# Altium PCB 2m_DBoard_TX.PcbDoc (part 2 of 5)
Units mm, origin at the board's own origin, x right, y up, seen from the top; angles counter-clockwise.
Board outline 63.5 x 139.7 mm, 12 copper layers (Top RF, AGND, Inner RF, AGND 2, AVDD, AVDD 2, DVDD 2, DVDD, GND 2, Signal, GND, Bottom Layer), stack 2.626 mm thick; 263 components, 212 nets, 1246 pads, 1554 vias.
Unrouted connection lines stored in the file: 414.
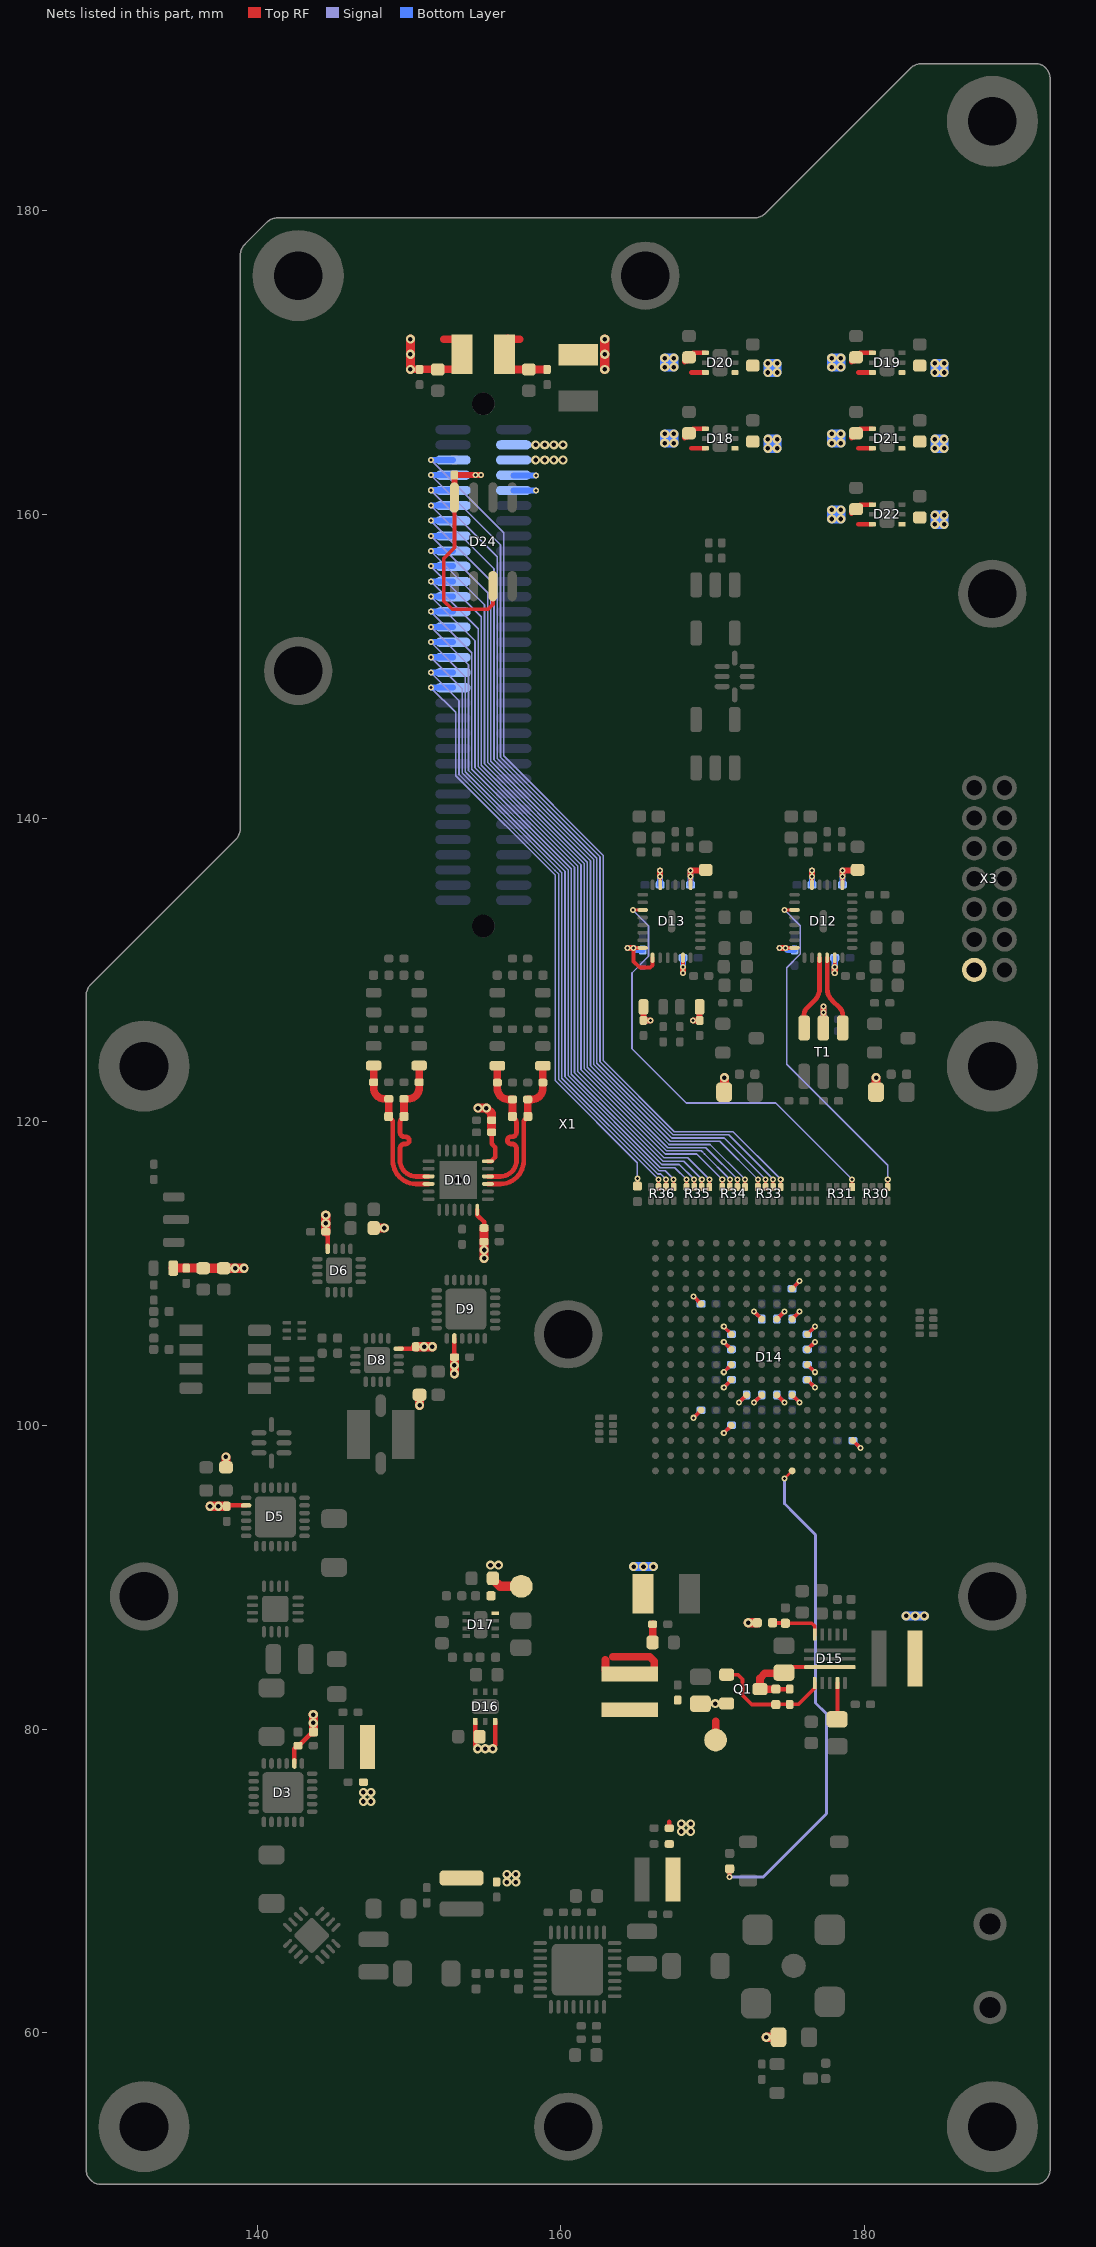
[diagram p12: the nets of this part, all layers, seen from the top]

## Part data
C1 C11 C14 C15 C19: "SMD Capacitor", Manufacturer=Murata, Supplier Part Number 1=490-8335-1-ND, Tolerance=5%, Voltage=50V, Material=NP0, P/N=GRM31C5C1H104JA01K, Supplier 1=Digi-key, Supplier 2=Mouser, Supplier 3=Farnell, Supplier Part Number 2=81-GRM31C5C1H104JA1K, Type="Ceramic Capacitor"
C2 C4 C8 C45 C49 C51 C52: "SMD Capacitor", Manufacturer=Murata, Supplier Part Number 1=490-3244-1-ND, Tolerance=5%, Voltage=50V, Material=NP0, P/N=GRM1555C1H102JA01D, Supplier 1=Digi-key, Supplier 2=Mouser, Supplier 3=Farnell, Supplier Part Number 2=81-GRM1555C1H102JA1D, Type="Ceramic Capacitor"
C3 C7 C9 C13 C16 C18 C20 C21 C22 C23 C53 C58 C61 C63 C73 C74 C77 C79 C102 C135 C136 C137: "SMD Capacitor", Manufacturer=Murata, Supplier Part Number 1=490-1312-1-ND, Tolerance=10%, Voltage=25V, Material=X7R, P/N=GRM155R71E103KA01D, Supplier 1=Digi-key, Supplier 2=Mouser, Supplier 3=Farnell, Supplier Part Number 2=81-GRM36X103K25, Type="Ceramic Capacitor"
C5 C12 C17: "SMD Capacitor", Manufacturer=Murata, Supplier Part Number 1=490-6213-1-ND, Tolerance=±0.05pF, Voltage=50V, Material=NP0, P/N=GRM1555C1H1R5WA01D, Supplier 1=Digi-key, Supplier 2=Mouser, Supplier 3=Farnell, Supplier Part Number 2=81-GRM1555C1H1R5WA1D, Type="Ceramic Capacitor"
C6 C10 C110 C127: "SMD Capacitor", Manufacturer=Samsung, Supplier Part Number 1=1276-1784-1-ND, Tolerance=10%, Voltage=16V, Material=X5R, P/N=CL10A475KO8NNNC, Supplier 1=Digi-key, Supplier 2=Mouser, Supplier 3=Farnell, Supplier Part Number 2=187-CL10A475KO8NNNC, Supplier Part Number 3=3013397, Type="Ceramic Capacitor"
C24 C25 C27 C66 C67: "SMD Capacitor", Manufacturer=Murata, Supplier Part Number 1=490-8180-1-ND, Tolerance=1%, Voltage=50V, Material=NP0, P/N=GRM1555C1H101FA01D, Supplier 1=Digi-key, Supplier 2=Mouser, Supplier 3=Farnell, Supplier Part Number 2=81-GRM1555C1H101FA1D, Type="Ceramic Capacitor"
C26 C28 C43 C44 C60 C64 C65 C76 C80 C81 C83 C84 C85 C86 C87 C88 C89 C90 C91 C92 C93 C94 C95 C96 C97 C98 C99 C100 C101: "SMD Capacitor", Manufacturer=Murata, Supplier Part Number 1=490-6322-1-ND, Tolerance=10%, Voltage=10V, Material=X7R, P/N=GRM155R71A104KA01J, Supplier 1=Digi-key, Supplier 2=Mouser, Supplier 3=Farnell, Supplier Part Number 2=81-GRM155R71A104KA1J, Type="Ceramic Capacitor"
C29 C35: "SMD Capacitor", Manufacturer=Murata, Supplier Part Number 1=490-5877-1-ND, Tolerance=±0.5pF, Voltage=50V, Material=NP0, P/N=GRM1555C1H6R0DA01D, Supplier 1=Digi-key, Supplier 2=Mouser, Supplier 3=Farnell, Supplier Part Number 2=81-GRM1555C1H6R0DA1D, Type="Ceramic Capacitor"
C30 C31 C36 C37: "SMD Capacitor", Manufacturer=Murata, Supplier Part Number 1=490-5872-1-ND, Tolerance=±0.25pF, Voltage=50V, Material=NP0, P/N=GRM1555C1H3R0CA01D, Supplier 1=Digi-key, Supplier 2=Mouser, Supplier 3=Farnell, Supplier Part Number 2=81-GRM1555C1H3R0CA1D, Type="Ceramic Capacitor"
C32 C33 C38 C39: "SMD Capacitor", Manufacturer=Murata, Supplier Part Number 1=490-8589-1-ND, Tolerance=1%, Voltage=50V, Material=NP0, P/N=GRM1555C1H220FA01D, Supplier 1=Digi-key, Supplier 2=Mouser, Supplier 3=Farnell, Supplier Part Number 2=81-GRM1555C1H220FA1D, Type="Ceramic Capacitor"
C34 C40: "SMD Capacitor", Manufacturer=Murata, Supplier Part Number 1=490-5939-1-ND, Tolerance=±0.25pF, Voltage=50V, Material=NP0, P/N=GRM1555C1H3R6CA01D, Supplier 1=Digi-key, Supplier 2=Mouser, Supplier 3=Farnell, Supplier Part Number 2=81-GRM1555C1H3R6CA1D, Type="Ceramic Capacitor"
C41 C42 C48 C55 C69 C120 C121 C122 C123 C124 C125 C126 C128 C131 C132 C133 C134: "SMD Capacitor", Manufacturer=Kemet, Supplier Part Number 1=399-C0603C105K4RAC7867CT-ND, Tolerance=10%, Voltage=16V, Material=X7R, P/N=C0603C105K4RACTU, Supplier 1=Digi-key, Supplier 2=Mouser, Supplier 3=Farnell, Supplier Part Number 2=80-C0603C105K4R, Type="Ceramic Capacitor"
C46: "SMD Capacitor", Manufacturer=Murata, Supplier Part Number 1=490-8219-1-ND, Tolerance=±1%, Voltage=50V, Material=NP0, P/N=GRM1555C1H680FA01D, Supplier 1=Digi-key, Supplier 2=Mouser, Supplier 3=Farnell, Supplier Part Number 2=81-GRM1555C1H680FA1D, Type="Ceramic Capacitor"
C47: "SMD Capacitor", Manufacturer=Murata, Supplier Part Number 1=490-1453-1-ND, Tolerance=±5%, Voltage=50V, Material=NP0, P/N=GRM1885C1H122JA01D, Supplier 1=Digi-key, Supplier 2=Mouser, Supplier 3=Farnell, Supplier Part Number 2=81-GRM1885C1H122JA01, Type="Ceramic Capacitor"
C50: "SMD Capacitor", Manufacturer=Murata, Supplier Part Number 1=490-6261-1-ND, Tolerance=±0.05pF, Voltage=50V, Material=NP0, P/N=GRM1555C1HR30WA01D, Supplier 1=Digi-key, Supplier 2=Mouser, Supplier 3=Farnell, Supplier Part Number 2=81-GRM1555C1HR30WA1D, Type="Ceramic Capacitor"
C54 C68 C130: "SMD Capacitor", Manufacturer=Murata, Supplier Part Number 1=490-6418-1-ND, Tolerance=10%, Voltage=10V, Material=X7R, P/N=GRM188R71A225KE15J, Supplier 1=Digi-key, Supplier 2=Mouser, Supplier 3=Farnell, Supplier Part Number 2=81-GRM188R71A225KE5J, Type="Ceramic Capacitor"
C56 C70: "SMD Capacitor", Manufacturer=Kemet, Supplier Part Number 1=399-14502-1-ND, Tolerance=1%, Voltage=50V, Material=NP0, P/N=C0603C222F5GACTU, Supplier 1=Digi-key, Supplier 2=Mouser, Supplier 3=Farnell, Supplier Part Number 2=80-C0603C222F5G, Type="Ceramic Capacitor"
C57 C71: "SMD Capacitor", Manufacturer="KYOCERA AVX", Supplier Part Number 1=478-KAF15AR71H273JTCT-ND, Tolerance=±5%, Voltage=50V, Material=X7R, P/N=06035C273J4Z2A, Supplier 1=Digi-key, Supplier 2=Mouser, Supplier 3=Farnell, Supplier Part Number 2=581-06035C273J4Z2A, Type="Ceramic Capacitor"
C59 C62 C75 C78 C82 C138 C139: "SMD Capacitor", Manufacturer=Murata, Supplier Part Number 1=490-13339-1-ND, Tolerance=10%, Voltage=6.3V, Material=X7R, P/N=GRM155R70J105KA12J, Supplier 1=Digi-key, Supplier 2=Mouser, Supplier 3=Farnell, Supplier Part Number 2=81-GRM155R70J105KA2J, Type="Ceramic Capacitor"
C72: "SMD Capacitor", Manufacturer=Murata, Supplier Part Number 1=490-6186-1-ND, Tolerance=1%, Voltage=50V, Material=NP0, P/N=GRM1555C1H100FA01D, Supplier 1=Digi-key, Supplier 2=Mouser, Supplier 3=Farnell, Supplier Part Number 2=81-GRM1555C1H100FA1D, Type="Ceramic Capacitor"
C103 C105 C108 C114 C118: "SMD Capacitor", Manufacturer=Murata, Supplier Part Number 1=490-6328-1-ND, Tolerance=10%, Voltage=16V, Material=X7R, P/N=GRM155R71C104KA88J, Supplier 1=Digi-key, Supplier 2=Mouser, Supplier 3=Farnell, Supplier Part Number 2=81-GRM155R71C104KA8J, Type="Ceramic Capacitor"
C104 C106 C115: "SMD Capacitor", Manufacturer=Kemet, Supplier Part Number 1=399-6869-1-ND, Tolerance=10%, Voltage=50V, Material=X7R, P/N=C0603C221K5RACAUTO, Supplier 1=Digi-key, Supplier 2=Mouser, Supplier 3=Farnell, Supplier Part Number 2=80-C0603C221K5RAUTO, Type="Ceramic Capacitor"
C107: "SMD Capacitor", Manufacturer=Murata, Supplier Part Number 1=490-3390-1-ND, Tolerance=20%, Voltage=6.3V, Material=X5R, P/N=GRM32ER60J107ME20L, Supplier 1=Digi-key, Supplier 2=Mouser, Supplier 3=Farnell, Supplier Part Number 2=81-GRM32ER60J107ME20, Type="Ceramic Capacitor"
C109 C113: "SMD Capacitor", Manufacturer=Murata, Supplier Part Number 1=490-10747-1-ND, Tolerance=±20%, Voltage=16V, Material=X5R, P/N=GRM21BR61C226ME44L, Supplier 1=Digi-key, Supplier 2=Mouser, Supplier 3=Farnell, Supplier Part Number 2=81-GRM21BR61C226ME4L, Type="Ceramic Capacitor"
C111 C129: "SMD Capacitor", Manufacturer=Murata, Supplier Part Number 1=490-6473-1-ND, Tolerance=±10%, Voltage=16V, Material=X5R, P/N=GRM21BR61C106KE15K, Supplier 1=Digi-key, Supplier 2=Mouser, Supplier 3=Farnell, Supplier Part Number 2=81-GRM21BR61C106KE5K, Type="Ceramic Capacitor"
C112: "SMD Capacitor", Manufacturer=Murata, Supplier Part Number 1=490-4763-1-ND, Tolerance=10%, Voltage=50V, Material=X7R, P/N=GCM155R71H223KA55D, Supplier 1=Digi-key, Supplier 2=Mouser, Supplier 3=Farnell, Supplier Part Number 2=81-GCM155R71H223KA5D, Type="Ceramic Capacitor"
C119: "SMD Capacitor", Manufacturer=Murata, Supplier Part Number 1=490-5312-1-ND, Tolerance=10%, Voltage=10V, Material=X7R, P/N=GRM32ER71A476KE15L, Supplier 1=Digi-key, Supplier 2=Mouser, Supplier 3=Farnell, Supplier Part Number 2=81-GRM32ER71A476KE5L, Type="Ceramic Capacitor"
C191: "SMD Capacitor", Manufacturer=Murata, Supplier Part Number 1=490-1459-1-ND, Tolerance=±5%, Voltage=50V, Material=NP0, P/N=GRM1885C1H222JA01D, Supplier 1=Digi-key, Supplier 2=Mouser, Supplier 3=Farnell, Supplier Part Number 2=81-GRM1885C1H222JA01, Type="Ceramic Capacitor"
D1: "1 W Power Amplifier", Manufacturer="Analog Devices", Package="32-lead, 5 mm × 5 mm LFCSP", Supplier Part Number 1=505-HMC637BPM5E-ND, Temperature Range="-40°C ~ 105°C", Voltage="12 V at 345 mA typical", Name=HMC637BPM5E, P/N=HMC637BPM5E, Supplier 1=Digi-key, Supplier 2=Mouser, Supplier 3=Farnell, Supplier Part Number 2=584-HMC637BPM5E, Type="Power Amplifier"
D2 D4: "InGaP HBT GAIN BLOCK", Manufacturer="Analog Devices", Package="16 Lead 3x3mm SMT", Supplier Part Number 1=1127-2929-ND, Name=HMC311LP3, P/N=HMC311LP3E, Supplier 1=Digi-key, Supplier 2=Mouser, Supplier 3=Farnell, Supplier Part Number 2=584-HMC311LP3E, Type="GAIN BLOCK"
D3: "The PE43711 is a 50Ω, HaRP™ technology-enhanced, 7-bit RF digital step attenuator", Manufacturer="Peregrine Technical Solutions", Package="24-lead 4 × 4 × 0.85 mm QFN", Supplier Part Number 1=1046-1138-1-ND, Name=PE43711, P/N=PE43711A-Z, Supplier 1=Digi-Key, Supplier 2=Mouser, Supplier 3=Farnell, Supplier Part Number 2=81-PE43711B-Z, Type="7-bit RF digital step attenuator (DSA)"
D5 D9: "The PE42582 is a HaRP™ technology-enhanced absorptive SP6T RF switch", Manufacturer="Peregrine Technical Solutions", Package="24-lead 4 × 4 × 0.85 mm QFN", Name=PE42562, P/N=PE42562A-X, Supplier 1=Digi-key, Supplier 2=Mouser, Supplier 3=Farnell, Supplier Part Number 2=81-PE42562A-X, Type="Absorptive SP6T RF switch"
D6 D8: "HaRPTM technology-enhanced absorptive SPDT", Manufacturer="Peregrine Technical Solutions", Package="16-lead 3 × 3 mm QFN", Supplier Part Number 1=1046-1137-1-ND, Name=PE42553, P/N=PE42553A-Z, Supplier 1=Digi-Key, Supplier 2=Mouser, Supplier 3=Farnell, Supplier Part Number 2=81-PE42553B-Z, Type="SPDT RF Switch"
D7: "Frequency Mixer", Manufacturer=Mini-Circuits, Package=HV1195, Power Level=+13dBm, Name=SIM-43MH+, P/N=SIM-43MH+, Supplier 1=Digi-key, Supplier 2=Mouser, Supplier 3=Minicircuits, Supplier Part Number 2=139-SIM-43MH, Supplier Part Number 3=SIM-43MH+, Type="Frequency Mixer"
D10: "Broadband Quadrature Modulator", Manufacturer="Analog Devices", Package="24-lead LFCSP_VQ package", Supplier Part Number 1=ADL5375-05ACPZ-R7CT-ND, Temperature Range="–40°C to 125°C", Voltage="4.75 V to 5.25 V", Name=ADL5375-05, P/N=ADL5375-05SCPZEPR7, Supplier 1=Digi-key, Supplier 2=Mouser, Supplier 3=Farnell, Supplier Part Number 2=584-ADL5375-05ACPZR7, Type="Broadband Quadrature Modulator"
D11: "RF/IF Gain Block", Manufacturer="Analog Devices", Package=SOT89, Supplier Part Number 1=505-ADL5611ARKZ-R7CT-ND, Name=ADL5611, P/N=ADL5611ARKZ-R7, Supplier 1=Digi-Key, Supplier 2=Mouser, Supplier 3=Farnell, Supplier Part Number 2=584-ADL5611ARKZ-R7, Type="RF/IF Gain Block"
D12 D13: library part LTC6948, "The LTC®LTC6948 is a high performance, low noise, 6.39GHz  phase-locked loop (PLL)", Frequency Range="0.700 to 6.390 GHz", Manufacturer="Linear Technology", Package="28-QFN (4x5)", Supplier Part Number 1=505-LTC6948IUFD-4#PBF-ND, Temperature Range="-40°C ~ 105°C", Voltage="3.15 V ~ 5.25 V", Name=LTC6948-4, P/N=LTC6948IUFD-4, Supplier 1=Digi-Key, Supplier 2=Mouser, Supplier 3=Farnell, Supplier Part Number 2=584-LTC6948IUFD-4PBF, Type="Clock/Frequency Synthesizer (RF/IF), Integer N"
D14: "CoolRunner-II 1.8V, 256 Macrocell CPLD, 184 User I/Os, 256-Ball FTBGA, Commercial Grade, Pb-Free", Supplier Part Number 1=122-1400-ND, Code_JEDEC=MS-034-AAF-1*, DatasheetVersion="ver3.2, Mar-2007", Name=XC2C256-7FTG256C, P/N=XC2C256-7FTG256C, PackageDescription="256-Ball Fine Pitch Thin Ball Grid Array 1.00 mm Pitch (FTG256) - Pb-Free", PackageReference=FTG256, PackageVersion="ver1.3, Oct-2007", PartNumber=XC2C256-7FTG256C, Supplier 1=Digi-key, Supplier 2=Mouser, Supplier 3=Farnell, Supplier Part Number 2=217-XC2C256-7FTG256C, Type=CPLD
D15: "10-A Fully-Integrated Synchronous Boost with Load Disconnect Control", Current="10 A", Manufacturer="Texas Instruments", Package="13-VQFN-HR (3.5x3.0)", Supplier Part Number 1=296-48313-1-ND, Temperature Range="–40°C to 125°C", Voltage="4.5 V to 20 V", Name=TPS611781, P/N=TPS611781RNW, Supplier 1=Digi-Key, Supplier 2=Mouser, Supplier 3=Farnell, Supplier Part Number 2=595-TPS611781RNWR, Type="Synchronous Boost"
D16 D18 D20 D21: "LP5912 500-mA Low-Noise, Low-IQ LDO", Current=500mA, Manufacturer="Texas Instruments", Package=WSON, Supplier Part Number 1=296-52224-1-ND, Temperature Range="–40°C to 125°C", Voltage=5.0V, Name=LP5912-5.0DRVT, P/N=LP5912-5.0DRVT, Supplier 1=Digi-Key, Supplier 2=Mouser, Supplier 3=Farnell, Supplier Part Number 2=595-LP5912-5.0DRVT, Type="Low-Noise LDO"
D17: "Low-Noise, Regulated, Switched-Capacitor Voltage Inverter", Current="250 mA", Manufacturer="Texas Instruments", Package=WSON, Supplier Part Number 1=296-43882-1-ND, Temperature Range="–40°C to 125°C", Voltage="2.7 V to 5.5", Name=LM27761, P/N=LM27761DSGT, Supplier 1=Digi-key, Supplier 2=Mouser, Supplier 3=Farnell, Supplier Part Number 2=595-LM27761DSGT, Type="Voltage Inverter"
D19 D22: "LP5912 500-mA Low-Noise, Low-IQ LDO", Current=500mA, Manufacturer="Texas Instruments", Package=WSON, Supplier Part Number 1=296-44153-2-ND, Temperature Range="–40°C to 125°C", Voltage=3.3V, Name=LP5912-3.3DRVT, P/N=LP5912-3.3DRVT, Supplier 1=Digi-Key, Supplier 2=Mouser, Supplier 3=Farnell, Supplier Part Number 2=595-LP5912-3.3DRVT, Type="Low-Noise LDO"
D24: "I2C EEPROM", Capacity=2kbit, Manufacturer=Microchip, Package=SOIC-8, Supplier Part Number 1=24LC024HT-I/SNCT-ND, Voltage=2.5-5.5V, Max Clock="400 kHz", Name=24LC024, P/N=24LC024HT-I/SN, Supplier 1=Digi-key, Supplier 2=Mouser, Supplier 3=Farnell, Supplier Part Number 2=579-24LC024HT-I/SN, Type="I2C EEPROM"
H1 H2: library part LED, "CHIP LED LAMP", Color=Green, Manufacturer=Kingbright, Package="2.0 x 1.25 mm SMD", Supplier Part Number 1=754-1094-1-ND, Name=APHCM2012, P/N=APHCM2012CGCK-F01, Supplier 1=Digi-Key, Supplier 2=Mouser, Supplier 3=Farnell, Supplier Part Number 2=604-APHCM2012CGCK, Type="CHIP LED LAMP"
H3: library part LED, "CHIP LED LAMP", Color=Orange, Manufacturer=Kingbright, Package="2.0 x 1.25 mm SMD", Supplier Part Number 1=754-1096-1-ND, Name=APHCM2012, P/N=APHCM2012SECK-F01, Supplier 1=Digi-key, Supplier 2=Mouser, Supplier 3=Farnell, Supplier Part Number 2=604-APHCM2012SECK, Type="CHIP LED LAMP"
K1: library part G3VM-61GR1, "MOS FET Relay", Channel Resistance="250 mOhm", Current=1.4A, Manufacturer=Omron, Package=SOT-23F, Supplier Part Number 1=Z10319CT-ND, Voltage=60V, Name=G3VM-61VR, P/N=G3VM-61VR, Supplier 1=Digi-Key, Supplier 2=Mouser, Supplier 3=Farnell, Supplier Part Number 2=653-G3VM-61VRTR05
L1 L3 L5: "Chip SMD Inductor", Current=1.5A, Frequency=7200MHz, Manufacturer=Coilcraft, Temperature Range=-25…85°C, Tolerance=5%, Name=0805HP-6N2XJR, P/N=0805HP-6N2XJR, Series=0805HP, Supplier 1=Digi-key, Supplier 2=Mouser, Supplier 3=Farnell, Supplier Part Number 2=994-0805HP-6N2XJRC, Supplier Part Number 3=0805HP-6N2XJRB
L2 L4 L6: "Chip SMD Inductor", Current=0.61A, Frequency=39.9MHz, Manufacturer=Coilcraft, Supplier Part Number 1=2457-XFL3012-682MEC-ND, Temperature Range=-25…85°C, Tolerance=±5%, Name=XFL3012-682ME, P/N=XFL3012-682ME, Series=XFL3012, Supplier 1=Digi-key, Supplier 2=Mouser, Supplier 3=Farnell, Supplier Part Number 2=994-XFL3012-682MEC
L7 L8 L9 L10 L11 L12 L13 L14: "Chip SMD Inductor", Current=680mA, Frequency=2.70GHz, Manufacturer=Coilcraft, Temperature Range=-25…85°C, Tolerance=2%, Name=0603HP-33NXGE, P/N=0603HP-33NXGE, Series=0603HP, Supplier 1=Digi-key, Supplier 2=Mouser, Supplier 3=Farnell, Supplier Part Number 2=994-0603HP-33NXGLW, Supplier Part Number 3=2286156
L15: "Chip SMD Inductor", Current=810mA, Frequency=2.45GHz, Manufacturer=Coilcraft, Temperature Range=-25…85°C, Tolerance=5%, Name=0603HP-43NXJE, P/N=0603HP-43NXJE, Series=0603HP, Supplier 1=Digi-key, Supplier 2=Mouser, Supplier 3=Farnell, Supplier Part Number 2=994-0603HP-43NXJLW
L16 L17: "Chip SMD Inductor", Current=600mA, Frequency=2.00GHz, Manufacturer=Coilcraft, Temperature Range=-25…85°C, Tolerance=5%, Name=0603HP-68NXJE, P/N=0603HP-68NXJE, Series=0603HP, Supplier 1=Digi-key, Supplier 2=Mouser, Supplier 3=Farnell, Supplier Part Number 2=994-0603HP-68NXJLW, Supplier Part Number 3=2286224
L18: "Inductor Power Lines", Current=2500mA, Frequency=100MHz, Manufacturer=Murata, Supplier Part Number 1=490-12035-1-ND, Temperature Range="-25ºC to 85ºC", Tolerance=5%, Name=LQH32PN1R0NNC, P/N=LQH32PN1R0NNC, Series=LQH, Supplier 1=Digi-key, Supplier 2=Mouser, Supplier 3=Farnell, Supplier Part Number 2=81-LQH32PN1R0NNCL
L19: "Magnetic-Core Inductor", Current=5A, Manufacturer=Coilcraft, Temperature Range="-40ºC to 125ºC", Tolerance=±30%, Name=XEL4030-472MEB, Supplier 1=Digi-key, Supplier 2=Mouser, Supplier 3=Farnell, Supplier Part Number 2=994-XEL4030-472MEC, Supplier Part Number 3=2836831
L20: "Magnetic-Core Inductor", Current=5.9A, Manufacturer=Coilcraft, Temperature Range="-40ºC to 125ºC", Tolerance=±30%, Name=XEL4020-222MEC, P/N=XEL4020-222MEC, Supplier 1=Digi-key, Supplier 2=Mouser, Supplier 3=Farnell, Supplier Part Number 2=994-XEL4020-222MEC, Supplier Part Number 3=2836818
M1 M2 M3 M4 M5 M6 M7: library part "Mechanical Via", "Mechanical Via", Supplier 4=Digi-key, Supplier 5=Mouser, Supplier 6=Farnell
Q1: "P-Channel MOSFET", Channel Resistance="54 mΩ", Current=4.3A, Package=SOT-23, Power Dissipation=1.3W, Supplier Part Number 1=IRLML2244TRPBFCT-ND, Voltage=-20V, Name=IRLML2244, P/N=IRLML2244TRPBF, Supplier 1=Digi-key, Supplier 2=Mouser, Supplier 3=Farnell, Supplier Part Number 2=942-IRLML2244TRPBF, Type="P-Channel Mosfet"
R1 R3: "SMD Resistor", Manufacturer="Panasonic Electronic Components", Power="0.1 Wt", Supplier Part Number 1=P432LCT-ND, Temperature Range=-55…155°C, Tolerance=±1%, Name="Chip SMD Resistor", P/N=ERJ-2RKF4320X, Supplier 1=Digi-key, Supplier 2=Mouser, Supplier 3=Farnell, Supplier Part Number 2=667-ERJ-2RKF4320X
R2: "SMD Resistor", Manufacturer=Vishay, Power="0.063 Wt", Supplier Part Number 1=541-11.8LCT-ND, Temperature Range=-55…155°C, Tolerance=±1%, Name="Chip SMD Resistor", P/N=CRCW040211R8FKED, Supplier 1=Digi-key, Supplier 2=Mouser, Supplier 3=Farnell, Supplier Part Number 2=71-CRCW040211R8FKED
R4 R6: "SMD Resistor", Manufacturer="Panasonic Electronic Components", Power="0.125 Wt", Supplier Part Number 1=P18.7CCT-ND, Temperature Range=-55…155°C, Tolerance=1%, Name="Chip SMD Resistor", P/N=ERJ-6ENF18R7V, Supplier 1=Digi-key, Supplier 2=Mouser, Supplier 3=Farnell, Supplier Part Number 2=667-ERJ-6ENF18R7V
R5: "SMD Resistor", Power="0.062 Wt", Supplier Part Number 1=P1.0KJCT-ND, Temperature Range=-55…155°C, Tolerance=5%, Name="Chip SMD Resistor", P/N=ERJ-2GEJ102X, Supplier 1=Digi-key, Supplier 2=Mouser, Supplier 3=Farnell, Supplier Part Number 2=667-ERJ-2GEJ102X
R7 R8 R9 R10 R11 R12: "SMD Resistor", Power="0.1 Wt", Supplier Part Number 1=P0.0GCT-ND, Temperature Range=-55…155°C, Tolerance=1%, Name="Chip SMD Resistor", P/N=ERJ-3GEY0R00V, Supplier 1=Digi-key, Supplier 2=Mouser, Supplier 3=Farnell, Supplier Part Number 2=667-ERJ-3GEY0R00V
R13 R14 R16 R17 R19 R20 R24 R27: "SMD Resistor", Manufacturer="Panasonic Electronic Components", Power="0.063 Wt", Supplier Part Number 1=P15987CT-ND, Temperature Range=-55…155°C, Tolerance=0.5%, Name="Chip SMD Resistor", P/N=ERJ-2RKD49R9X, Supplier 1=Digi-key, Supplier 2=Mouser, Supplier 3=Farnell, Supplier Part Number 2=667-ERJ-2RKD49R9X
R15 R18: "SMD Resistor", Manufacturer="Panasonic Electronic Components", Power="0.1 Wt", Supplier Part Number 1=P140LCT-ND, Temperature Range=-55…155°C, Tolerance=1%, Name="Chip SMD Resistor", P/N=ERJ-2RKF1400X, Supplier 1=Digi-key, Supplier 2=Mouser, Supplier 3=Farnell, Supplier Part Number 2=667-ERJ-2RKF1400X
R21 R23: "SMD Resistor", Manufacturer="Panasonic Electronic Components", Power="0.1 Wt", Temperature Range=-55…155°C, Tolerance=±1%, Name="Chip SMD Resistor", P/N=ERJ-2RKF2200X, Supplier 1=Digi-key, Supplier 2=Mouser, Supplier 3=Farnell, Supplier Part Number 2=667-ERJ-2RKF2200X, Supplier Part Number 3=2302563
R22: "SMD Resistor", Manufacturer=Vishay, Power="0.063 Wt", Supplier Part Number 1=541-24.0LCT-ND, Temperature Range=-55…155°C, Tolerance=±1%, Name="Chip SMD Resistor", P/N=CRCW040224R0FKED, Supplier 1=Digi-key, Supplier 2=Mouser, Supplier 3=Farnell, Supplier Part Number 2=71-CRCW040224R0FKED
R25 R28: "SMD Resistor", Manufacturer="Panasonic Electronic Components", Power="0.1 Wt", Supplier Part Number 1=P332DBCT-ND, Temperature Range=-55…155°C, Tolerance=0.1%, Name="Chip SMD Resistor", P/N=ERA-3AEB3320V, Supplier 1=Digi-key, Supplier 2=Mouser, Supplier 3=Farnell, Supplier Part Number 2=667-ERA-3AEB3320V
R26 R29: "SMD Resistor", Power="0.1 Wt", Supplier Part Number 1=P15.0HCT-ND, Temperature Range=-55…155°C, Tolerance=1%, Name="Chip SMD Resistor", P/N=ERJ-3EKF15R0V, Supplier 1=Digi-key, Supplier 2=Mouser, Supplier 3=Farnell, Supplier Part Number 2=667-ERJ-3EKF15R0V
R30 R31 R32 R33 R34 R35 R36 R37 R41: "Chip Resistor Array", Manufacturer=Panasonic, Number of Resistors=4, Supplier Part Number 1=Y10330CT-ND, Tolerance=5%, Name=EXBN8V, Number of Terminals=8, P/N=ERJ-2GEJ330X, Series=EXB, Supplier 1=Digi-key, Supplier 2=Mouser, Supplier 3=Farnell, Supplier 4=Digi-key, Supplier 5=Mouser, Supplier 6=Farnell, Supplier Part Number 2=667-EXB-N8V330JX, Type="0402 Array Concave Terminal"
R40: "SMD Resistor", Power="0.1 Wt", Supplier Part Number 1=P33.0LCT-ND, Temperature Range=-55…155°C, Tolerance=1%, Name="Chip SMD Resistor", P/N=ERJ-2RKF33R0X, Supplier 1=Digi-key, Supplier 2=Mouser, Supplier 3=Farnell, Supplier Part Number 2=667-ERJ-2RKF33R0X
R42: "SMD Resistor", Manufacturer="Panasonic Electronic Components", Power="0.063 Wt", Supplier Part Number 1=P71.5KLCT-ND, Temperature Range=-55…155°C, Tolerance=1%, Name="Chip SMD Resistor", P/N=ERJ-2RKF7152X, Supplier 1=Digi-key, Supplier 2=Mouser, Supplier 3=Farnell, Supplier Part Number 2=667-ERJ-2RKF7152X